# Altium PCB AQM with ESP32-S3.PcbDoc (continued)
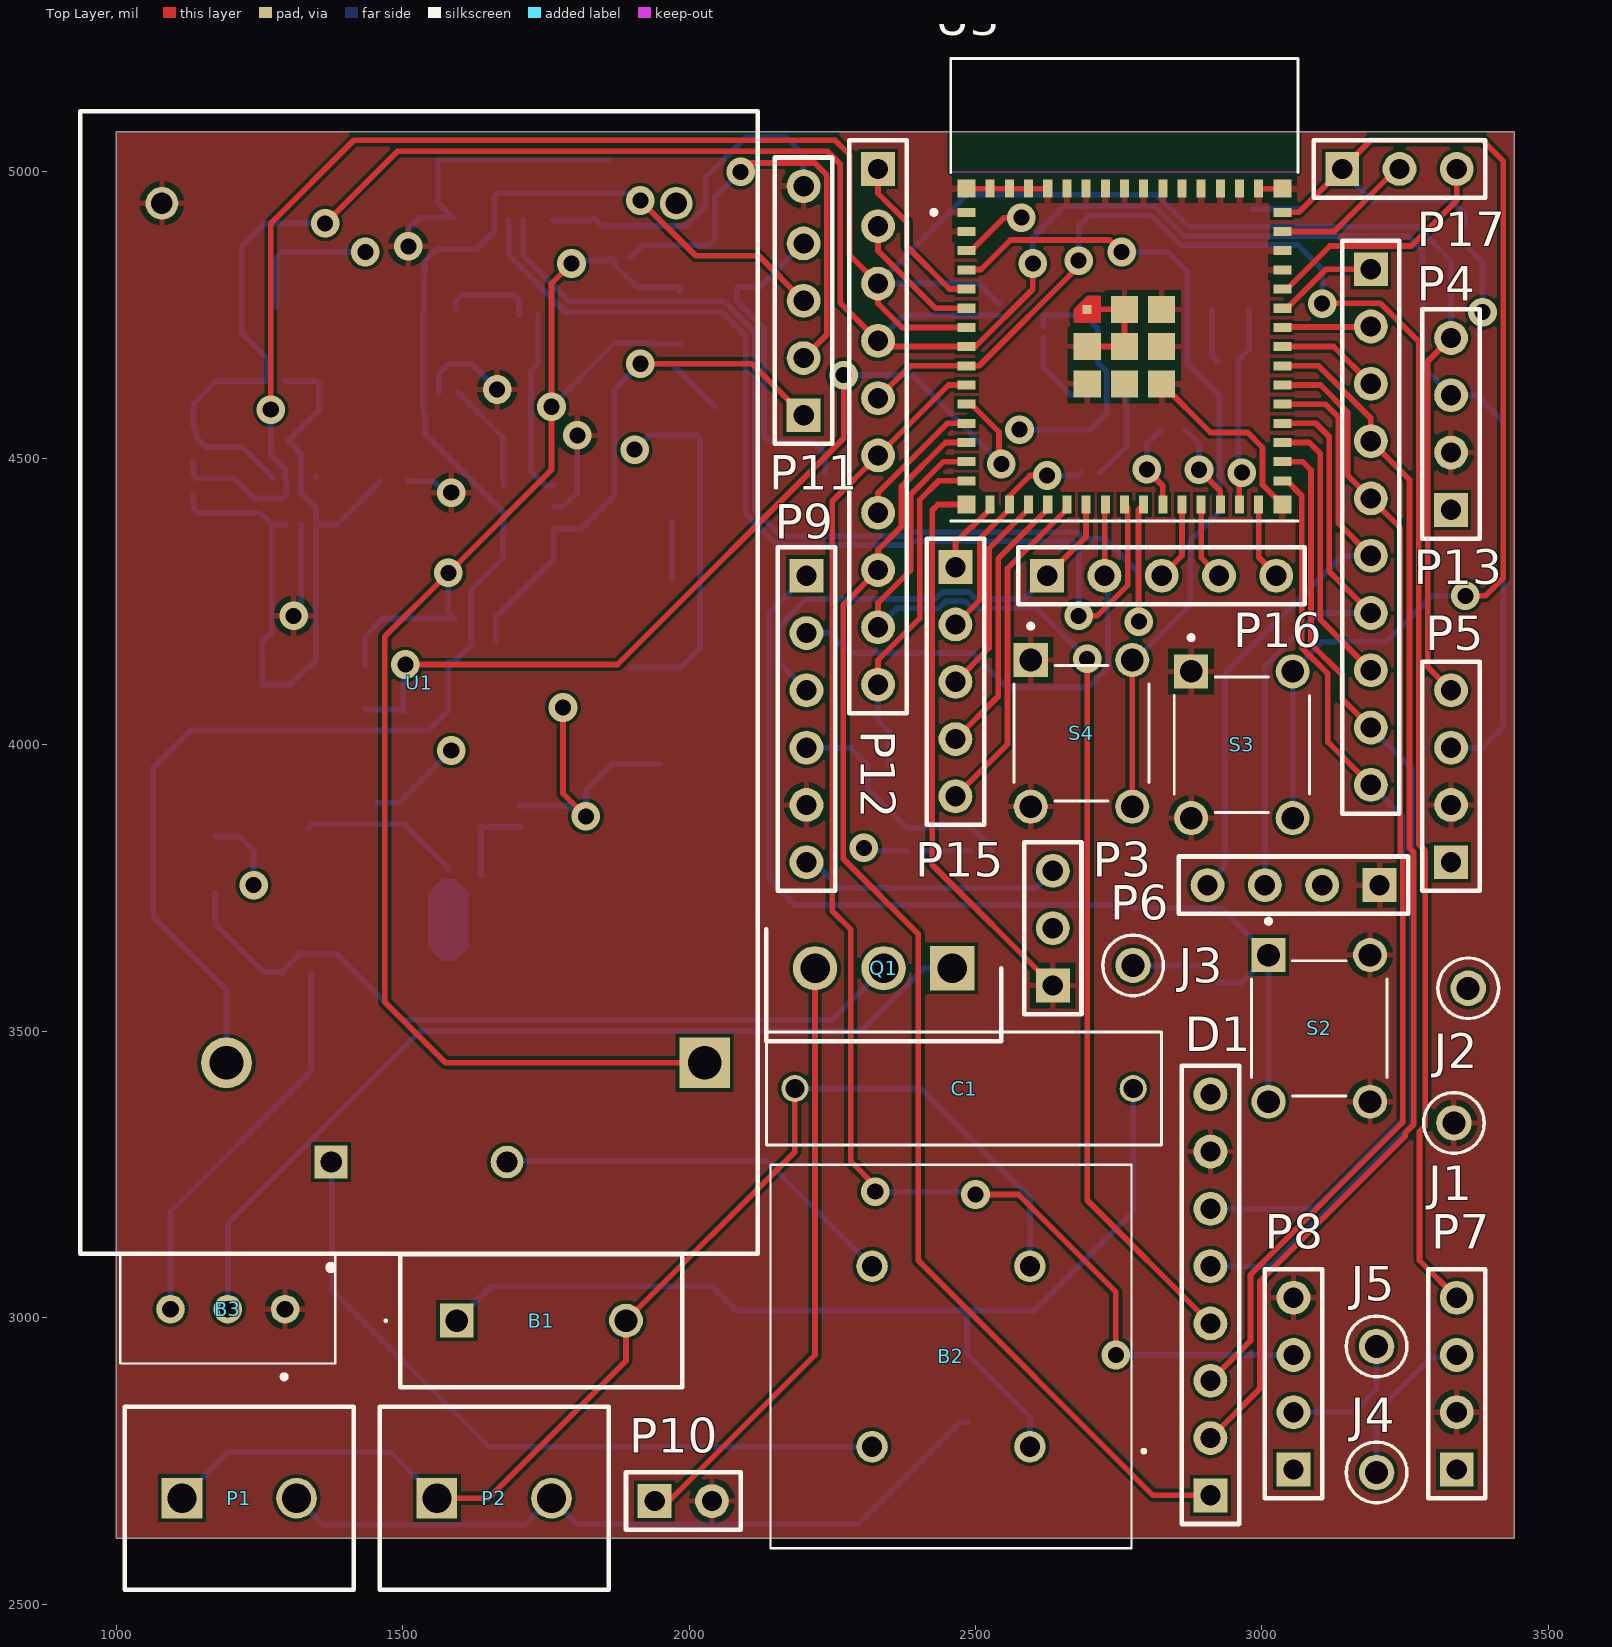
[diagram p0: Top Layer view]
## Footprints (in the part's own frame and the unit in brackets; to place one, negate y for a bottom-side part, rotate by r counter-clockwise, add the part's x,y. Pads: shape width x height; smd on the part's side, far side on the other; paste and mask are expansions set on the pad)
10D561K [mm]
  rect 1.5x1.5 hole 1: 1(0,0)
  round 1.5 hole 1: 2(7.5,0)
  silkscreen extent -3.2,-2.95 10,2.95, body extent -2.5,-2.95 10,2.95, height 15.6
3296X1223LF [mm]
  round 1.269 hole 0.74: 1(0,-2.54) 2(0,0) 3(0,2.54)
  silkscreen extent -3.1,-4.76 2.41,4.76, body extent -2.03,-4.83 2.8,6.22, height 10.03
AMPHENOL_10118192-0001LF [mm]
  rect 0.4x1.35 smd: 1(-1.3,0) 2(-0.65,0) 3(0,0) 4(0.65,0) 5(1.3,0)
  rect 2.1x1.6 smd: SH1(-3.1,-0.125) SH2(3.1,-0.125)
  rect 1.8x1.9 smd: SH3(-3.8,-2.675) SH6(3.8,-2.675)
  rect 1.9x1.9 smd: SH4(-1.2,-2.675) SH5(1.2,-2.675)
  silkscreen extent -3.75,-4.13 3.75,1.4, body extent -3.94,-4.99 3.98,0.67, height 3.09
CAPAE830X1050N [mm]
  rect 4x2.15 smd: 1(-3.35,0) 2(3.35,0)
  silkscreen extent -5.35,-4.15 4.15,4.15, body extent -4.65,-4.32 4.65,4.18, height 10.5
CAPC6125X25N [mm] "Chip Capacitor, 2-Leads, Body 6.10x2.50mm, IPC Medium Density"
  rect 2.05x2.65 smd: 1(-2.475,0) 2(2.475,0)
  silkscreen extent -1.05,-1.22 1.05,1.23, body extent -3.15,-1.3 3.15,1.3, height 2.5
CL05A106MQ5NUNC [mm]
  rect 0.69x0.72 smd: 1(-0.46,0) 2(0.46,0)
  body extent -0.5,-0.25 0.5,0.25, height 0.7
FP-5004-MFG [mm]
  round 1.57 hole 1.02 paste-1000 mask+0: 1(0,0)
  silkscreen extent -1.35,-1.34 1.35,1.34, body extent -1.45,-1.45 1.45,1.45, height 0.25
FP-B4B-ZR-SM4-TF_LF_SN-MFG [mm]
  rect 0.7x3.6 smd paste+0 mask+0: 1(-2.25,-1.95) 2(-0.75,-1.95) 3(0.75,-1.95) 4(2.25,-1.95)
  rect 1.5x2.3 smd paste+0 mask+0: 5(-4.3,0.1) 6(4.3,0.1)
  silkscreen extent -4.5,-4.52 4.5,1.85, body extent -4.5,-3.35 4.5,1.85, height 5
FP-BME280-MFG [mm]
  rect 0.5x0.35 smd paste+0 mask+0: 1(1.025,0.975) 2(1.025,0.325) 3(1.025,-0.325) 4(1.025,-0.975) 5(-1.025,-0.975) 6(-1.025,-0.325) 7(-1.025,0.325) 8(-1.025,0.975)
  silkscreen extent -1.3,-1.55 1.97,1.55
FP-C04-091-OT-IPC_B [mm]
  rect 1.338x0.578 smd paste+0 mask+0: 1(-1.116,0.95)
  rrect100% 1.338x0.578 smd paste+0 mask+0: 2(-1.116,0) 3(-1.116,-0.95) 4(1.116,-0.95) 5(1.116,0.95)
  silkscreen extent -2.41,-1.45 0.05,1.45
FP-CL10-IPC_A [mil]
  rect 45.6x39.85 smd paste+0 mask+0: 1(-32.56,0) 2(32.56,0)
  silkscreen extent -55,-36 55,36, body extent -31,-16 31,16, height 36
FP-CL10-IPC_C [mil]
  rect 29.85x31.97 smd paste+0 mask+0: 1(-24.68,0) 2(24.68,0)
  silkscreen extent -40,-33 40,33, body extent -31,-16 31,16, height 36
FP-GRM219-0_2-0_15-IPC_A [mil]
  rect 57.27x61.27 smd paste+0 mask+0: 1(-36.45,0) 2(36.45,0)
  silkscreen extent -65,-46 65,46, body extent -39,-25 39,25, height 39
FP-HLK-10M05-MFG [mm]
  rect 1.45x1.45 hole 0.95 paste-1000 mask+0: 1(-21.25,3.9)
  round 1.45 hole 0.95 paste-1000 mask+0: 2(-21.25,-3.9) 3(21.25,11.4) 4(21.25,-11.4)
  silkscreen extent -26.05,-15.01 25.33,15.01, body extent -23.45,-13.9 23.45,13.9, height 23.55
FP-RC0402-0_4-IPC_A [mil]
  rect 28.16x26.48 smd paste+0 mask+0: 1(-18.84,0) 2(18.84,0)
  silkscreen extent -33,-29 33,29, body extent -20,-10 20,10, height 16
HDR1X2 [mm] "Connector; Header; 2 Position"
  rect 1.5x1.5 hole 0.9: 1(0,0)
  round 1.5 hole 0.9: 2(2.54,0)
  silkscreen extent -1.27,-1.27 3.81,1.27
HDR1X3 [mm] "Connector; Header; 3 Position"
  rect 1.5x1.5 hole 0.9: 1(0,0)
  round 1.5 hole 0.9: 2(2.54,0) 3(5.08,0)
  silkscreen extent -1.27,-1.27 6.35,1.27
HDR1X4 [mm] "Connector; Header; 4 Position"
  rect 1.5x1.5 hole 0.9: 1(0,0)
  round 1.5 hole 0.9: 2(2.54,0) 3(5.08,0) 4(7.62,0)
  silkscreen extent -1.27,-1.27 8.89,1.27
HDR1X5 [mm] "Connector; Header; 5 Position"
  rect 1.5x1.5 hole 0.9: 1(0,0)
  round 1.5 hole 0.9: 2(2.54,0) 3(5.08,0) 4(7.62,0) 5(10.16,0)
  silkscreen extent -1.27,-1.27 11.43,1.27
HDR1X6 [mm] "Connector; Header; 6 Position"
  rect 1.5x1.5 hole 0.9: 1(0,0)
  round 1.5 hole 0.9: 2(2.54,0) 3(5.08,0) 4(7.62,0) 5(10.16,0) 6(12.7,0)
  silkscreen extent -1.27,-1.27 13.97,1.27
HDR1X8 [mm] "Connector; Header; 8 Position"
  rect 1.5x1.5 hole 0.9: 1(0,0)
  round 1.5 hole 0.9: 2(2.54,0) 3(5.08,0) 4(7.62,0) 5(10.16,0) 6(12.7,0) 7(15.24,0) 8(17.78,0)
  silkscreen extent -1.27,-1.27 19.05,1.27
HDR1X10 [mm] "Connector; Header; 10 Position"
  rect 1.5x1.5 hole 0.9: 1(0,0)
  round 1.5 hole 0.9: 2(2.54,0) 3(5.08,0) 4(7.62,0) 5(10.16,0) 6(12.7,0) 7(15.24,0) 8(17.78,0) 9(20.32,0) 10(22.86,0)
  silkscreen extent -1.27,-1.27 24.13,1.27
JST_S2B-PH-SM4-TB(LF)(SN) [mm]
  rect 1x3.5 smd: 1(-1,0) 2(1,0)
  rect 1.5x3.4 smd: S1(-3.35,-5.75) S2(3.35,-5.75)
  silkscreen extent -3.95,-7.25 3.95,1.45, body extent -3.94,-6.99 3.96,1.61, height 5.5
MAX17048G+T10 [mm]
  rrect25% 0.76x0.27 smd: 1(-0.985,0.75) 2(-0.985,0.25) 3(-0.985,-0.25) 4(-0.985,-0.75) 5(0.985,-0.75) 6(0.985,-0.25) 7(0.985,0.25) 8(0.985,0.75)
  rect 0.9x1.3 smd paste-2: 9(0,0)
  silkscreen extent -2.04,-1.2 1.05,1.2, body extent -0.89,-1.02 1.11,0.98, height 0.8
MBR540-DO-201AD [mm]
  round 2.25 hole 1.5: A(10.6,0)
  rect 2.25x2.25 / inner round 2.25 / far side rect 2.25x2.25 hole 1.5: C(-10.6,0)
  silkscreen extent -8.89,-2.65 8.89,2.65
MPX-104K275VAC-C-D2 [mm]
  round 1.2 hole 0.85: 1(-7.5,0) 2(7.5,0)
  silkscreen extent -8.75,-2.5 8.75,2.5, body extent -8.75,-2.5 8.75,2.5, height 12
PHOE-1729128-2_V [mm] "Receptacle, 2-Leads, Body 8.1x10.16mm, Pitch 5.08mm"
  rect 1.8x1.8 hole 1.3: 1(-2.54,0)
  round 1.8 hole 1.3: 2(2.54,0)
  silkscreen extent -5.08,-4.05 5.08,4.05, body extent -5.65,-4.05 5.08,4.05, height 10.01
RESC1005X40X25LL05T10 [mm] "Chip Resistor, 2-Leads, Body 1.00x0.50mm, IPC High Density"
  rect 0.5x0.45 smd: 1(-0.375,0) 2(0.375,0)
  body extent -0.53,-0.27 0.53,0.28, height 0.4
RESC1005X40X25NL05T10 [mm] "Chip Resistor, 2-Leads, Body 1.00x0.50mm, IPC Medium Density"
  rect 0.6x0.55 smd: 1(-0.425,0) 2(0.425,0)
  body extent -0.53,-0.27 0.53,0.28, height 0.4
RESC1608X55X25LL10T15 [mm] "Chip Resistor, 2-Leads, Body 1.70x0.90mm, IPC High Density"
  rect 0.6x0.8 smd: 1(-0.65,0) 2(0.65,0)
  body extent -0.85,-0.45 0.85,0.45, height 0.55
SK3245SL1A [mm]
  rect 0.7x1.2 smd: 1(-2.5,-3.25) 2(0,-3.25) 3(2.5,-3.25)
  silkscreen extent -4.55,-4.5 4.55,1.78, body extent -4.55,-3.62 4.55,3.88, height 3.2
SOT89-150P350X150-3N [mm] "SOT89, 3-Leads, Body 4.50x2.50mm, Pitch 1.50mm, Lead Span 3.5mm, IPC Medium Density"
  rect 1.3x0.6 smd: 1(-1.55,1.5) 3(-1.55,-1.5)
  rect 0.8x0.6 smd: 2(-1.8,0)
  Top Layer region: -1.4,0.3 -0.8,0.9 1.6,0.9 2.2,0.3 2.2,-0.3 1.6,-0.9 -0.8,-0.9 -1.4,-0.3
  silkscreen extent -1.85,-2.3 1.53,2.47, body extent -2.02,-2.27 2.22,2.27, height 1.5
SOT94P280X100-5N [mm]
  rect 1.25x0.65 smd: 1(-1.25,0.94) 2(-1.25,0) 3(-1.25,-0.94) 4(1.25,-0.94) 5(1.25,0.94)
  silkscreen extent -1.88,-1.45 0.28,1.51, body extent -1.4,-1.45 1.4,1.45, height 1
SOT96P240X120-3N [mm]
  rect 1.2x0.65 smd: 1(-1.05,0.96) 2(-1.05,-0.96) 3(1.05,0)
  silkscreen extent -1.65,-1.45 0.1,1.54, body extent -1.33,-1.45 1.07,1.45, height 1.2
T491A [mm]
  rect 1.8x1.23 smd: 1(-1.31,0) 2(1.31,0)
  silkscreen extent -2.71,-0.05 -2.61,0.05, body extent -1.57,-0.91 1.83,0.89, height 1.81
TL1105AF160Q [mm]
  rect 1.508x1.508 / inner round 1.508 / far side rect 1.508x1.508 hole 1: 1(-3.25,-2.25)
  round 1.508 hole 1: 2(3.25,-2.25) 3(-3.25,2.25) 4(3.25,2.25)
  silkscreen extent -4.85,-3 3,3, body extent -3.82,-2.62 4.07,3.38, height 3.21
TO304P498X1010X2089-3P [mm]
  rect 1.965x1.965 / inner round 1.965 / far side rect 1.965x1.965 hole 1.31: 1(0,0)
  round 1.965 hole 1.31: 2(3.04,0) 3(6.08,0)
  silkscreen extent -2.17,-1.74 8.25,3.24, body extent -1.91,-3.3 8.19,1.68, height 19.12
UU98Y10MH [mm]
  round 1.4 hole 0.9: 1(0,0) 2(-7,0) 3(-7,8) 4(0,8)
  silkscreen extent -11.5,-4.5 5.1,12.5, body extent -11.5,-4.5 4.5,12.5, height 14.1
VISH-TLMS1000_V [mm] "SMD, 2-Leads, Body 0.8x1.6mm"
  rect 0.6x0.8 smd: 1(-0.725,0) 2(0.725,0)
  silkscreen extent 1.52,-0.4 1.52,0.4, body extent -0.8,-0.4 0.8,0.4, height 0.65
VISH-TLMX1100-2_V [mm] "SMD, 2-Leads, Body 1.6x0.8mm"
  rect 0.6x0.8 smd: 1(-0.725,0) 2(0.725,0)
  silkscreen extent 1.53,-0.3 1.53,0.3, body extent -0.8,-0.4 0.8,0.4, height 0.65
WS2812B2020 [mm]
  rect 0.7x0.7 smd: 1(0.915,-0.55) 2(0.915,0.55) 3(-0.915,0.55) 4(-0.915,-0.55)
  silkscreen extent 1.35,-1.4 1.45,-1.3, body extent -1.1,-1 1.1,1, height 0.84
XCVR_ESP32-S3-MINI-1-N8 [mm]
  rect 0.8x0.4 smd: 1(-7,5.95) 2(-7,5.1) 3(-7,4.25) 4(-7,3.4) 5(-7,2.55) 6(-7,1.7) 7(-7,0.85) 8(-7,0) 9(-7,-0.85) 10(-7,-1.7) 11(-7,-2.55) 12(-7,-3.4) 13(-7,-4.25) 14(-7,-5.1) 15(-7,-5.95) 31(7,-5.95) 32(7,-5.1) 33(7,-4.25) 34(7,-3.4) 35(7,-2.55) 36(7,-1.7) 37(7,-0.85) 38(7,0) 39(7,0.85) 40(7,1.7) 41(7,2.55) 42(7,3.4) 43(7,4.25) 44(7,5.1) 45(7,5.95)
  rect 0.4x0.8 smd: 16(-5.95,-7) 17(-5.1,-7) 18(-4.25,-7) 19(-3.4,-7) 20(-2.55,-7) 21(-1.7,-7) 22(-0.85,-7) 23(0,-7) 24(0.85,-7) 25(1.7,-7) 26(2.55,-7) 27(3.4,-7) 28(4.25,-7) 29(5.1,-7) 30(5.95,-7) 46(5.95,7) 47(5.1,7) 48(4.25,7) 49(3.4,7) 50(2.55,7) 51(1.7,7) 52(0.85,7) 53(0,7) 54(-0.85,7) 55(-1.7,7) 56(-2.55,7) 57(-3.4,7) 58(-4.25,7) 59(-5.1,7) 60(-5.95,7)
  rect 1.2x1.2 smd: 61(0,0) 61_2(0,1.65) 61_3(1.65,1.65) 61_4(1.65,0) 61_5(1.65,-1.65) 61_6(0,-1.65) 61_7(-1.65,-1.65) 61_8(-1.65,0)
  rect 0.4x0.4 smd paste-1 mask+0: 61_1(-1.65,1.65)
  rect 0.8x0.8 smd: 62(-7,7) 63(-7,-7) 64(7,-7) 65(7,7)
  Top Layer region: -1.05,1.05 -2.25,1.05 -2.25,1.65 -1.65,2.25 -1.05,2.25
  Keep-Out Layer region: 7.7,7.725 -7.7,7.725 -7.7,12.775 7.7,12.775
  Keep-Out Layer region: 7.7,7.725 -7.7,7.725 -7.7,12.775 7.7,12.775
  silkscreen extent -8.55,-7.73 7.7,12.78, body extent -7.7,-7.71 7.7,12.79, height 2.55

## Part data
A1: library part IC?, "75dB@(120Hz) 1A 1.25V@(1A) ±125?@(Tj) Fixed 3.3V~3.3V Positive 1 20V SOT-89 Linear Voltage Regulators (LDO) ROHS", LCSC Part #=C2904742, Manufacturer=YONGYUTAI, Mfr. Part #=AMS1117-3.3, Package=SOT-89, Datasheet=https://datasheet.lcsc.com/lcsc/2110121330_YONGYUTAI-AMS1117-3-3_C2904742.pdf
B1: "920V 42.3J 180pF@1kHz 460V 350V 504V~616V 2.5kA Plugin Varistors ROHS", LCSC Part #=C113236, Manufacturer="Hongzhi Elec", Package=Plugin, Datasheet=https://datasheet.lcsc.com/lcsc/1811141751_Hongzhi-Elec-10D561K_C113236.pdf, Mfr. Part #=10D561K
B2: "10mH@1kHz 1.2O 2 500mA 50V Plugin Common Mode Filters ROHS", LCSC Part #=C75192, Manufacturer="FH (Guangdong Fenghua Advanced Tech)", Package=Plugin, Datasheet=https://datasheet.lcsc.com/lcsc/1810311213_FH--Guangdong-Fenghua-Advanced-Tech-UU9-8Y-10mH_C75192.pdf, Mfr. Part #=UU9.8Y-10MH
B3: "±10% 10kO Plugin Variable Resistors/Potentiometers ROHS", LCSC Part #=C118955, Manufacturer="BOCHEN(Chengdu Guosheng Tech)", Package=Plugin, Datasheet=https://datasheet.lcsc.com/lcsc/1811011704_BOCHEN-Chengdu-Guosheng-Tech-3296X-1-103_C118955.pdf, Mfr. Part #=3296X-1-103
B4: "RGB SMD,2x2mm Light Emitting Diodes (LED) ROHS", LCSC Part #=C965555, Manufacturer=Worldsemi, Package=SMD,2x2mm, Datasheet=https://www.mouser.com/pdfDocs/WS2812B-2020_V10_EN_181106150240761.pdf, Mfr. Part #=WS2812B-2020, Packaging="Tape & Reel (TR)"
B5: "Polymer 1 DFN-8-EP(2x2) Battery Management ICs ROHS", LCSC Part #=C2682616, Manufacturer="Analog Devices Inc./Maxim Integrated", Package=DFN-8-EP(2x2), Datasheet=chrome-extension://efaidnbmnnnibpcajpcglclefindmkaj/https://datasheet.lcsc.com/lcsc/2106070437_Analog-Devices-Inc--Maxim-Integrated-MAX17048G-T10_C2682616.pdf, Mfr. Part #=MAX17048G+T10, Packaging="Tape & Reel (TR)"
C1: library part MPX-104K275VAC-C-D2, "X2 100nF ±10% 275V Plugin,P=15mm Suppression Capacitors ROHS", LCSC Part #=C914484, Manufacturer=NDF, Mfr. Part #=X2-104K-275VAC, Package=Plugin,P=15mm, Datasheet=https://datasheet.lcsc.com/lcsc/2201131300_NDF-X2-104K-275VAC_C914484.pdf
C2: library part UUR1C221MNL1GS, "-40?~+85? 2000hrs@85? 220uF 10mm 16V 8mm 215mA@120Hz ±20% SMD,D8xL10mm Aluminum Electrolytic Capacitors - SMD ROHS", LCSC Part #=C445237, Manufacturer=Nichicon, Package=SMD,D8xL10mm, Datasheet=https://datasheet.lcsc.com/lcsc/2002121532_Nichicon-UUR1C221MNL1GS_C445237.pdf, Mfr. Part #=UUR1C221MNL1GS
C3: library part CMP-06035-056251-1, "Chip Multilayer Ceramic Capacitors for General Purpose, 0805, 22uF, X5R, 15%, 20%, 16V", LCSC Part #=C162295, Manufacturer="Murata Electronics", Mfr. Part #=GRM219R61C226ME15L, Package=0805, Datasheet=https://datasheet.lcsc.com/lcsc/1811141821_Murata-Electronics-GRM219R61C226ME15L_C162295.pdf
C4: library part CL05A106MQ5NUNC, "6.3V 10uF X5R ±20% 0402 Multilayer Ceramic Capacitors MLCC - SMD/SMT ROHS", LCSC Part #=C15525, Manufacturer="Samsung Electro-Mechanics", Package=0402, Datasheet Link=https://datasheet.datasheetarchive.com/originals/distributors/Datasheets-DGA10/2406160.pdf, Mfr. Part #=CL05A106MQ5NUNC
C5 C6 C7 C8 C10 C11 C14 C15: library part CMP-13271-004224-1, "X5R 25V 10uF ±20% 0603 Multilayer Ceramic Capacitors MLCC - SMD/SMT ROHS", LCSC Part #=C96446, Manufacturer="Samsung Electro-Mechanics", Mfr. Part #=CL10A106MA8NRNC, Package=0603, Datasheet=https://datasheet.lcsc.com/lcsc/1811110921_Samsung-Electro-Mechanics-CL10A106MA8NRNC_C96446.pdf, Packaging="Tape and Reel"
C9 C12 C13: library part CMP-13271-001457-1, "X5R 1uF 16V ±10% 0603 Multilayer Ceramic Capacitors MLCC - SMD/SMT ROHS", LCSC Part #=C1592, Manufacturer="Samsung Electro-Mechanics", Mfr. Part #=CL10A105KO8NNNC, Package=0603, Packaging="Tape & Reel (TR)"
  C9: Datasheet=https://datasheet.lcsc.com/lcsc/2209191700_Samsung-Electro-Mechanics-CL10A105KO8NNNC_C1592.pdf
  C12 C13: Datasheet=0.031inch
C16: library part T491A104K035AT, "100nF 35V 20O@100kHz ±10% CASE-A-3216 Tantalum Capacitors ROHS", LCSC Part #=C122257, Manufacturer=KEMET, Package=CASE-A-3216, Datasheet=chrome-extension://efaidnbmnnnibpcajpcglclefindmkaj/https://datasheet.lcsc.com/lcsc/2304140030_KEMET-T491A104K035AT_C122257.pdf, Mfr. Part #=T491A104K035AT, Packaging="Tape & Reel (TR)"
D1: library part "Header 8", "Header, 8-Pin", LatestRevisionDate=17-Jul-2002, LatestRevisionNote="Re-released for DXP Platform.", Publisher="Altium Limited"
D2: library part MBR540-DO-201AD, "40V 5A 580mV@5A DO-201AD Schottky Barrier Diodes (SBD) ROHS", LCSC Part #=C272410, Manufacturer="Jilin Sino-Microelectronics", Package=DO-201AD, Datasheet=https://datasheet.lcsc.com/lcsc/1811081224_Jilin-Sino-Microelectronics-MBR540-DO-201AD_C272410.pdf, Mfr. Part #=MBR540-DO-201AD
DS1: library part CMP-1666-00029-1, "0603 Light Emitting Diodes (LED) ROHS", LCSC Part #=C3148192, Manufacturer="Vishay Intertech", Package=0603, ComponentLink1Description="Manufacturer URL", ComponentLink1URL=http://www.vishay.com/, ComponentLink2Description=Datasheet, ComponentLink2URL=http://download.siliconexpert.com/pdfs/2016/8/7/12/43/26/667/vsh_/manual/379263299541529tlmb1100.pdf, Datasheet=https://datasheet.lcsc.com/lcsc/2207121830_Vishay-Intertech-TLMO1100-GS08_C3148192.pdf, Mfr. Part #=TLMO1100-GS08, Packaging="Tape & Reel (TR)"
DS2: library part CMP-2000-07254-1, "Red 0603 Light Emitting Diodes (LED) ROHS", LCSC Part #=C241893, Manufacturer="Vishay Intertech", Package=0603, Datasheet=https://datasheet.lcsc.com/lcsc/1810181516_Vishay-Intertech-TLMS1000-GS08_C241893.pdf, Mfr. Part #=TLMS1000-GS08, Packaging="Tape & Reel (TR)"
F1: "SMD Fuses ROHS", LCSC Part #=C845172, Manufacturer="SART(Nanjing Sart Tech)", Package=SMD, Datasheet=https://datasheet.lcsc.com/lcsc/2201242130_SART-Nanjing-Sart-Tech-S6125-M2-0-5A_C845172.pdf, Mfr. Part #=S6125-M2-0.5A
J1 J2 J3 J4 J5: library part CMP-2000-05575-2, "PC TEST POINT MINIATURE YELLOW", LCSC Part #=C2906762, Manufacturer=Keystone, ComponentLink2Description=Datasheet, ComponentLink2URL=https://www.keyelco.com/product-pdf.cfm?p=1313, Datasheet=https://datasheet.lcsc.com/lcsc/2201121200_Keystone-5004_C2906762.pdf, Mfr. Part #=5004, Package=5004
J6: "1x2P PH 1 2mm Male pin 2 -25?~+85? 2A Surface Mount SMD,P=2mm Wire To Board / Wire To Wire Connector ROHS", LCSC Part #=C295747, Manufacturer="JST Sales America", Package=SMD,P=2mm, Datasheet=https://datasheet.lcsc.com/lcsc/2102031704_JST-Sales-America-S2B-PH-SM4-TB-LF-SN_C295747.pdf, Mfr. Part #=S2B-PH-SM4-TB(LF)(SN), Packaging="Tape & Reel (TR)"
J7: "Single Port 5 Contact Horizontal Right Angle Shielded Micro B USB 2.0 Connector", LCSC Part #=C132564, Manufacturer="Amphenol ICC", Package=SMD, Datasheet=https://datasheet.lcsc.com/lcsc/2111290930_Amphenol-ICC-10118192-0001LF_C132564.pdf, Mfr. Part #=10118192-0001LF
J8: library part CMP-17439-000604-1, "1x4P 1 1.5mm 4 Brass SMD,P=1.5mm Wire To Board / Wire To Wire Connector ROHS", LCSC Part #=C265083, Manufacturer="JST Sales America", Mfr. Part #=B4B-ZR-SM4-TF(LF)(SN), Package=SMD,P=1.5mm, Datasheet=https://datasheet.lcsc.com/lcsc/1912111437_JST-Sales-America-B4B-ZR-SM4-TF-LF-SN_C265083.pdf, Packaging="Tape & Reel (TR)"
P1 P2: library part CMP-2000-05815-1, "13.5A 400V Green Straight pin 5.08mm 1 2 Plugin,P=5.08mm Screw terminal ROHS", LCSC Part #=C91153, Manufacturer="Phoenix Contact", Mfr. Part #=1729128, Package=Plugin,P=5.08mm, Datasheet=https://www.farnell.com/datasheets/2617011.pdf
P3 P17: "Header, 3-Pin", LatestRevisionDate=17-Jul-2002, LatestRevisionNote="Re-released for DXP Platform.", Publisher="Altium Limited"
P4: library part "Header 4", "Si7021 Header, 4-Pin"
P5: library part "Header 4", "SGP30 Header, 4-Pin", LatestRevisionDate=17-Jul-2002, LatestRevisionNote="Re-released for DXP Platform.", Publisher="Altium Limited"
P6: library part "Header 4", "- Sensor Modules ROHS", LCSC Part #=C141344, Manufacturer="Zhengzhou Winsen Elec Tech", Mfr. Part #=ZE08-CH2O
P7: library part "Header 4", "MQ7 Header, 4-Pin", LatestRevisionDate=17-Jul-2002, LatestRevisionNote="Re-released for DXP Platform.", Publisher="Altium Limited"
P8: library part "Header 4", "MQ131 Header, 4-Pin", LatestRevisionDate=17-Jul-2002, LatestRevisionNote="Re-released for DXP Platform.", Publisher="Altium Limited"
P9: library part "Header 6", "PMS5003 Sensor Modules ROHS", LCSC Part #=C91431, Manufacturer="Beijing Plantower", Datasheet=https://datasheet.lcsc.com/lcsc/1810251510_Beijing-Plantower-PMS5003_C91431.pdf, Mfr. Part #=PMS5003, Package=PMS5003
P10: library part "Header 2", "Header, 2-Pin", LatestRevisionDate=17-Jul-2002, LatestRevisionNote="Re-released for DXP Platform.", Publisher="Altium Limited"
P11 P15 P16: "Header, 5-Pin", LatestRevisionDate=17-Jul-2002, LatestRevisionNote="Re-released for DXP Platform.", Publisher="Altium Limited"
P12 P13: "Header, 10-Pin", LatestRevisionDate=17-Jul-2002, LatestRevisionNote="Re-released for DXP Platform.", Publisher="Altium Limited"
Q1: "NPN Transistor, TO-220", LCSC Part #=C3031919, Manufacturer="Jiangsu Changjing Electronics Technology Co., Ltd.", Package=TO-220, Datasheet=https://datasheet.lcsc.com/lcsc/2206081730_Jiangsu-Changjing-Electronics-Technology-Co---Ltd--2SD313_C3031919.pdf, Mfr. Part #=2SD313
Q2: "20V 4A 39mO@4.5V,4A 900mW P Channel SOT-23 MOSFETs ROHS", LCSC Part #=C96616, Manufacturer="Diodes Incorporated", Package=SOT-23, Datasheet=https://datasheet.lcsc.com/lcsc/1809191942_Diodes-Incorporated-DMG3415U-7_C96616.pdf, Mfr. Part #=DMG3415U-7, Packaging="Tape & Reel (TR)"
R1 R2 R4 R5: library part CMP-2002-07342-2, "RES SMD 0 OHM JUMPER 1/16W 0402", LCSC Part #=C106231, Manufacturer=Yageo, Mfr. Part #=RC0402FR-070RL, Package=0402, Datasheet=https://www.lcsc.com/product-detail/Chip-Resistor-Surface-Mount_YAGEO-RC0402FR-070RL_C106231.html
R3: library part CMP-1659-00035-2, "100mW Thick Film Resistors 75V ±100ppm/? ±1% -55?~+155? 470O 0603 Chip Resistor - Surface Mount ROHS", LCSC Part #=C114669, Manufacturer=YAGEO, Mfr. Part #=RC0603FR-07470RL, Package=0603, ComponentLink1Description="Manufacturer URL", ComponentLink1URL=http://www.yageo.com/, ComponentLink2Description=Datasheet, ComponentLink2URL=https://datasheet.ciiva.com/11808/0900766b80f96399-11808177.pdf, Datasheet=https://datasheet.lcsc.com/lcsc/1810161617_YAGEO-RC0603FR-07470RL_C114669.pdf
R6 R7: library part CMP-2002-07353-1, "50V 10kO Thick Film Resistors 62.5mW ±1% -55?~+155? ±100ppm/? 0402 Chip Resistor - Surface Mount ROHS", LCSC Part #=C60490, Manufacturer=YAGEO, Mfr. Part #=RC0402FR-0710KL, Package=0402
R8 R9: library part CMP-2002-07343-1, "62.5mW 100kO ±1% Thick Film Resistors 0402 Chip Resistor - Surface Mount ROHS", LCSC Part #=C60491, Manufacturer=YAGEO, Mfr. Part #=RC0402FR-07100KL, Package=0402, Datasheet=https://datasheet.lcsc.com/lcsc/1809291220_YAGEO-RC0402FR-07100KL_C60491.pdf, Packaging="Tape & Reel (TR)"
R10 R12 R13 R14: library part CMP-2002-07753-1, "62.5mW Thick Film Resistors ±1% 5.1kO 0402 Chip Resistor - Surface Mount ROHS", LCSC Part #=C105872, Manufacturer=YAGEO, Mfr. Part #=RC0402FR-075K1L, Package=0402, Datasheet=https://datasheet.lcsc.com/lcsc/1809201112_YAGEO-RC0402FR-075K1L_C105872.pdf, Packaging="Tape & Reel (TR)"
R11: library part CMP-2002-07490-1, "62.5mW Thick Film Resistors ±1% 1MO 0402 Chip Resistor - Surface Mount ROHS", LCSC Part #=C138033, Manufacturer=YAGEO, Mfr. Part #=RC0402FR-071ML, Package=0402, Datasheet=https://datasheet.lcsc.com/lcsc/1809201123_YAGEO-RC0402FR-071ML_C138033.pdf, Packaging="Tape & Reel (TR)"
R15 R16 R17 R18: library part CMP-2002-07353-1, "10kO Thick Film Resistors 62.5mW ±1% 0402 Chip Resistor - Surface Mount ROHS", LCSC Part #=C60490, Manufacturer=YAGEO, Mfr. Part #=RC0402FR-0710KL, Package=0402, Datasheet=https://datasheet.lcsc.com/lcsc/1809301715_YAGEO-RC0402FR-0710KL_C60490.pdf, Packaging="Tape & Reel (TR)"
S1: library part SK-3245S-L1-A, "Surface Mount 50mA DPDT 3.2mm 12V 9.1mm 12V 3.55mm 50mA 10000 SMDSplicing Rectangular columnar -40?~+85? Black SMD Slide Switches ROHS", LCSC Part #=C405951, Manufacturer="XKB Connectivity", Package=SMD, Datasheet=https://datasheet.lcsc.com/lcsc/2002271841_XKB-Connectivity-SK-3245S-L1-A_C405951.pdf, Mfr. Part #=SK-3245S-L1-A
S2 S3 S4: "6mm 1.4mm Round Button 50mA Straight 6mm SPST 12V Plugin,6x6mm Tactile Switches ROHS", LCSC Part #=C273465, Manufacturer=E-Switch, Package=Plugin,6x6mm, Datasheet=https://datasheet.lcsc.com/lcsc/1809291031_E-Switch-TL1105AF160Q_C273465.pdf, Mfr. Part #=TL1105AF160Q
  S3 S4: Packaging=Bag-packed
U1: library part CMP-218581-000001-1, "5V 2A 90VAC~265VAC 1 120V~350V Isolated Regulated 10W AC-DC 80% Plugin Power Modules ROHS", LCSC Part #=C403745, Manufacturer=HI-LINK, Package=Plugin, Mfr. Part #=HLK-10M05
U2 U6: "TSOT-23-5 Linear Voltage Regulators (LDO) ROHS", LCSC Part #=C841192, Manufacturer="Richtek Tech", Package=TSOT-23-5, Datasheet=https://datasheet.lcsc.com/lcsc/2009192305_Richtek-Tech-RT9080-33GJ5_C841192.pdf, Mfr. Part #=RT9080-33GJ5, Packaging="Tape & Reel (TR)"
U3: library part U?, "Bluetooth, WiFi 802.11b/g/n, Bluetooth v5.0 Transceiver Module 2.4GHz PCB Trace Surface Mount", LCSC Part #=C2913206, Manufacturer="Espressif Systems", Package=None, Datasheet=https://www.espressif.com/sites/default/files/documentation/esp32-s3-mini-1_mini-1u_datasheet_en.pdf, Mfr. Part #=ESP32-S3-MINI-1-N8, Packaging="Tape & Reel (TR)"
U4: library part CMP-0133-00143-2, "SOT-23-5 Battery Management ICs ROHS", LCSC Part #=C424093, Manufacturer="Microchip Tech", Package=SOT-23-5, Datasheet=https://datasheet.lcsc.com/lcsc/1912111437_Microchip-Tech-MCP73831T-2ACI-OT_C424093.pdf, Mfr. Part #=MCP73831T-2ACI/OT, Packaging="Tape & Reel (TR)"
U5: library part CMP-2000-05073-3, "LGA-8 Temperature and Humidity Sensor ROHS", LCSC Part #=C92489, Manufacturer="Bosch Sensortec", Package=LGA-8, Datasheet=https://datasheet.lcsc.com/lcsc/2302171709_Bosch-Sensortec-BME280_C92489.pdf, Mfr. Part #=BME280, Packaging="Tape & Reel (TR)"

## Via types
v1: diameter 50, hole 28, Top Layer to Bottom Layer, 41 vias

## Nets (pads, with @x,y where several pads share a name; then routed paths per layer and width w, separated by ;. In a path a pad name is that pad's centre, name@x,y a point inside that pad or via, vN(x,y) a via of type N, cw(c..) or ccw(c..) an arc to the next point about the centre after c; other vN are vias at no path point)
3.3V: D1.8 J3.1 P3.2 P4.1 P5.1 R2.1 R6.1 R7.1 | length 3858
  Layer 2 - Power w10: v1(1585,3990) 1620.51,3954.49 2230.51,3954.49 2305,3880 v1(2305,3820) ; D1.8 2775,3525 J3.1 2710,3680 P3.2 2445,3680 v1(2305,3820) ; P4.1 3390,4410 3425.98,4374.02 3425.98,3820.98 3400,3795 P5.1 3305.51,3795 3280.51,3820 2652.29,3820 2651.78,3820.51 2618.22,3820.51 2617.71,3820 v1(2305,3820)
  Bottom Layer w10: R2.1 1493.84,3898.84 v1(1585,3990) ; v1(2305,3820) 2310,3815 R6.1 ; J3.1 2775.12,3614.88 2919.88,3614.88 R7.1
5V: C2.1 J2.1 P3.3 P6.2 P7.1 P8.1 P9.6 R1.2 S1.2 U1.4 | length 5448.3
  Top Layer w10: v1(1780,4065) 1780,3915 v1(1820,3875) ; U1.4@1971.61,4946.61 U1.4@1978.82,4946.61
  Layer 2 - Power w10: v1(1240,3755) 1290,3755 1465,3580 1695,3580 1820,3705 v1(1820,3875) 1900,3795 P9.6 ; v1(1780,4065) 1780,4450 1977.64,4647.64 U1.4 ; P3.3 2650.51,3795.51 3064.49,3795.51 P6.2 3175,3685 3250,3685 J2.1 3405,3530 3405,2800 P7.1 3260,2655 3135,2655 P8.1
  Bottom Layer w10: S1.2 1215,3840 1240,3815 v1(1240,3755) ; R1.2 1790.34,3893.84 1809.18,3875 v1(1820,3875) 1820,3920 1866.89,3966.89 C2.1 ; P9.6@2205,3800 P9.6 2218.27,3795 2263.27,3750 2605,3750 P3.3
BOOT: S4.3 S4.4 U3.4 | length 1452.3
  Top Layer w10: U3.4 2484.96,4829.41 2509.41,4829.41 2560.98,4880.98 2734.02,4880.98 v1(2755,4860) ; S4.4 S4.3
  Bottom Layer w10: v1(2755,4860) 2835,4860 2870,4825 2870,4665 2925.98,4609.02 2925.98,4407.31 2875,4356.33 2875,4245 2777.95,4147.95 S4.3
D+: J7.3 U3.24 | length 1869.1
  Top Layer w10: v1(2785,4215) 2784.49,4215.51 2784.49,4410.43 U3.24
  Bottom Layer w10: J7.3 1711.18,4853.82 1790.79,4774.21 2060.79,4774.21 2115,4720 2115,4410 2160.51,4364.49 2379.49,4364.49 2385.98,4370.98 2676.62,4370.98 2688.12,4359.49 2725.51,4359.49 2784.49,4300.51 2784.49,4232.8 2802.29,4215 v1(2785,4215)
D-: J7.2 U3.23 | length 1824
  Top Layer w10: v1(2680,4225) 2712.29,4225 2765.51,4278.22 2765.51,4413.82 U3.23
  Bottom Layer w10: J7.2 1685.59,4854.41 1785,4755 2057.4,4755 2099.02,4713.38 2099.02,4403.38 2153.89,4348.5 2386.11,4348.5 2392.6,4355 2670,4355 2680,4345 v1(2680,4225)
DOUT1: J4.1 P7.3 | length 286.4
  Bottom Layer w10: J4.1 3200,2835 3295.47,2930.47 3335.47,2930.47 P7.3
DOUT2: J5.1 P8.2 | length 236.6
  Bottom Layer w10: P8.2 3160,2835 3200,2875 J5.1
EN: P11.2 R9.2 U2.3 | length 800.6
  Top Layer w10: v1(2090,5000) 2105.51,5015.51 2219.49,5015.51 2240.51,4994.49 2240.51,4715.51 2201.82,4676.82 P11.2@2198.18,4676.82
  Bottom Layer w10: R9.2 1897.72,4850 1919.72,4872.01 U2.3 2034.14,4872.01 2045,4882.87 2045,4955 v1(2090,5000)
GND: A1.1 B3.1 B4.2 B5.1 B5.4 B5.6 B5.9 C2.2 C3.2 C4.1 C5.2 C6.2 C7.2 C8.2 C9.1 C10.2 C11.2 C12.2 C13.2 C14.2 C15.2 C16.2 D1.7 DS2.2 J1.1 J6.2 J6.S1 J6.S2 J7.5 J7.SH1 J7.SH2 J7.SH3 J7.SH4 J7.SH5 J7.SH6 J8.4 J8.5 J8.6 P3.1 P4.2 P5.2 P6.1 P7.2 P8.4 P9.5 P10.2 P11.5 R8.1 R11.1 R13.1 R18.1 S2.3 S2.4 S3.1 S3.2 S4.1 S4.2 U1.3 U2.2 U3.1 U3.2 U3.42 U3.43 U3.46 U3.47 U3.48 U3.49 U3.50 U3.51 U3.52 U3.53 U3.54 U3.55 U3.56 U3.57 U3.58 U3.59 U3.60 U3.61 U3.61_1 U3.61_2 U3.61_3 U3.61_4 U3.61_5 U3.61_6 U3.61_7 U3.61_8 U3.62 U3.63 U3.64 U3.65 U4.2 U5.1 U5.7 U6.2 | length 4411.5
  Top Layer w10: U3.63 2434.37,4419.37 2424.49,4409.49 2424.49,3790.51 P3.1 ; U3.62 U3.60 U3.59 U3.58 U3.57 ; U3.61_8 U3.61 U3.61_2 U3.61_1 ; U3.61_5 2909.92,4545 2975,4545 3000.98,4519.02 3000.98,4453.94 U3.64 ; U3.46 U3.65
  Layer 1 - GND w10: P5.2 3275,3950 3275,4455 P4.2
  Bottom Layer w10: v1(1310,4225) 1310,4235.82 1322.8,4248.62 U5.7 ; U5.1 U5.1@1348.39,4468.31 ; C15.2@1509.68,4461.06 C15.2 1554.18,4460 1574.18,4440 v1(1585,4440) ; v1(1510,4870) 1510,4900 1529.92,4919.92 J7.SH1@1588.07,4919.92 ; R13.1 1563.27,4647.41 1580.86,4665 1620,4665 v1(1665,4620) ; J7.SH1 J7.SH1@1588.07,4919.92 ; J7.5 1828.31,4915 J7.SH2 1847.68,4905.47 1994.01,4905.47 2029.02,4940.48 2029.02,4989.9 2099.11,5060 2170,5060 2200,5030 P11.5 ; U4.2 1779.8,4415 1805,4440.2 v1(1805,4540) ; J7.SH6 J7.SH5 J7.SH4 J7.SH3 1561.57,4946.42 J7.SH1@1588.07,4919.92 ; C8.2 C7.2 ; B5.4 2618.78,4658.35 2666.06,4611.06 2706.46,4611.06 DS2.2 ; C13.2 2912.44,4679.84 2922.28,4670 R11.1
I2C_PWR: R18.2 U3.11 U6.3 | length 1662.3
  Top Layer w10: v1(1505,4140) 1875,4140 2270,4535 v1(2270,4645) ; U3.11 2492.24,4594.57 2540.83,4545.98 2540.83,4494.17 v1(2545,4490)
  Bottom Layer w10: U6.3 1435.71,4061.5 1498.74,4061.5 R18.2 1501.22,4060 1501.22,4136.22 v1(1505,4140) ; v1(2270,4645) 2270.51,4645.51 2389.49,4645.51 v1(2545,4490)
IO1: P12.1 U3.5 | length 291
  Top Layer w10: P12.1 2330,4962.29 2380,4912.29 2380,4870 2454.65,4795.35 U3.5
IO2: P12.2 U3.6 | length 238.7
  Top Layer w10: P12.2 2330,4862.29 2430.4,4761.89 U3.6
IO5: P7.4 P12.5 U3.9 | length 2948.1
  Top Layer w10: P12.5 2386.5,4661.5 U3.9 2506.5,4661.5 2680,4835 v1(2680,4845) ; v1(3105,4770) 3105.51,4770.51 3206.78,4770.51 3273.5,4703.79 3273.5,3826.5 3285,3815 3285,3334.79 3275,3324.79 3275,3319.79 3275,3100 P7.4
  Bottom Layer w10: v1(2680,4845) 2680,4905 2699.02,4924.02 2806.87,4924.02 2858.76,4872.12 3062.88,4872.12 3105,4830 v1(3105,4770)
IO6: P8.3 P12.6 U3.10 | length 2467
  Top Layer w10: v1(2325,3220) 2325,3230 2282.5,3272.5 2282.5,3677.5 2250,3710 2250,4425 P12.6 2453.03,4628.03 U3.10 ; v1(2500,3215) 2575,3215 2745,3045 v1(2745,2935)
  Bottom Layer w10: v1(2325,3220) 2495,3220 v1(2500,3215) ; v1(2745,2935) P8.3
IO8: P12.7 U3.12 | length 239.5
  Top Layer w10: P12.7 2330,4440 2451.1,4561.1 U3.12
IO9: D1.1 P12.8 U3.13 | length 2272.4
  Top Layer w10: U3.13 2447.64,4527.64 2370.51,4450.51 2370.51,4380.51 2330,4340 P12.8 2269.02,4244.02 2269.02,3800.98 2400,3670 2400,3100 2810,2690 D1.1
IO10: D1.4 P12.9 U3.14 | length 2051.2
  Top Layer w10: P12.9 2330,4247.71 2386.5,4304.2 2386.5,4436.5 2444.17,4494.17 U3.14 ; v1(2695,4150) 2695,3205 D1.4
  Bottom Layer w10: P12.9 2363.5,4238.5 2436.21,4238.5 2448.22,4250.51 2481.78,4250.51 2493.79,4238.5 2606.5,4238.5 v1(2695,4150)
IO11: P12.10 R4.1 U3.15 | length 596
  Top Layer w10: P12.10 2330,4147.71 2402.48,4220.19 2402.48,4427.48 2435.71,4460.71 U3.15
  Bottom Layer w10: P12.10 2330,4041.9 2348.84,4023.06 R4.1
IO12: P15.1 U3.16 | length 135.7
  Top Layer w10: P15.1 2465,4352.8 2492.91,4380.71 2494.93,4380.71 2525.71,4411.5 U3.16
IO13: P15.2 R14.2 U3.17 | length 404.2
  Top Layer w10: P15.2 2507.8,4252.8 2507.8,4360.12 2559.17,4411.5 U3.17 2559.17,4434.17 2595,4470 v1(2625,4470)
  Bottom Layer w10: v1(2625,4470) 2678.27,4470 R14.2
IO14: P15.3 U3.18 | length 362.2
  Top Layer w10: P15.3 2523.78,4168.78 2523.78,4342.64 2592.64,4411.5 U3.18
IO15: P15.4 U3.19 | length 476.1
  Top Layer w10: P15.4 2539.76,4084.76 2539.76,4325.16 2626.1,4411.5 U3.19
IO16: P15.5 U3.20 | length 590
  Top Layer w10: P15.5 2555.75,4000.75 2555.75,4307.68 2659.57,4411.5 U3.20
IO26: P16.3 U3.26 | length 139
  Top Layer w10: P16.3 2860.35,4330.35 U3.26
IO34_BDLTAP: C13.1 R11.2 U3.29 | length 360.7
  Top Layer w10: U3.29 2960.37,4419.74 2960.37,4474.63 2960.75,4475 v1(2965,4475)
  Bottom Layer w10: v1(2965,4475) 2960,4475 2958.37,4476.63 2958.37,4668.37 R11.2 2957.72,4670 2977.56,4689.84 C13.1
IO40: D1.3 P13.5 U3.36 | length 2002.9
  Top Layer w10: D1.3 2980,2960 2980,3075 3245.51,3340.51 3245.51,3805 3241.54,3808.98 3241.54,4378.46 P13.5 3149.49,4470.51 3149.49,4580.51 3101.97,4628.03 U3.36
IO41: D1.2 P13.4 U3.37 | length 2150.5
  Top Layer w10: D1.2 2995.98,2875.98 2995.98,3063.38 3250,3317.4 3250,3322.4 3265,3337.4 3265,3812.4 3257.52,3819.87 3257.52,4462.48 P13.4 3190,4570 3098.5,4661.5 U3.37
IO42: P13.3 U3.38 | length 181.4
  Top Layer w10: U3.38 3125.04,4694.96 P13.3
IO45: P17.3 U3.41 | length 423.5
  Top Layer w10: U3.41 3043.43,4795.35 3118.58,4870.51 3260.51,4870.51 3340,4950 P17.3
IO46: P17.2 U3.44 | length 248.2
  Top Layer w10: U3.44 3086.89,4895.75 3087.12,4895.98 3125.98,4895.98 P17.2@3237.5,5007.5
IO47: P16.4 U3.27 | length 137.3
  Top Layer w10: U3.27 2893.82,4326.79 2925,4295.61 P16.4
IO48: P16.5 U3.30 | length 137.1
  Top Layer w10: U3.30 2994.21,4327.18 3025,4296.4 P16.5
MISO: P13.8 U3.33 | length 489
  Top Layer w10: U3.33 3082.36,4527.64 3101.54,4508.46 3101.54,4218.46 P13.8
MOSI: D1.6 P13.10 U3.31 | length 1606.7
  Top Layer w10: U3.31 3043.43,4460.71 3069.57,4434.57 3069.57,4169.48 3115,4124.05 3115,4005 P13.10
  Bottom Layer w10: D1.6 3090,3190 3245.51,3345.51 3245.51,3874.49 P13.10
NEOPIX: B4.3 U3.28 | length 154.7
  Top Layer w10: v1(2890,4480) 2927.28,4442.72 U3.28
  Bottom Layer w10: B4.3 2890,4525.63 v1(2890,4480)
NEOPIX_PWR: B4.4 U3.25 | length 152.3
  Top Layer w10: v1(2799.18,4480.82) 2799.18,4479.68 2826.89,4451.96 U3.25
  Bottom Layer w10: v1@2798.35,4481.65 v1(2799.18,4480.82) 2799.18,4524.81 B4.4
NetA1_2: A1.2 C3.1 R2.2 | length 283.7
  Bottom Layer w10: C3.1 1342.61,3861.16 R2.2 1503.64,3861.16 1580,3784.8 A1.2
NetA1_3: A1.3 C4.2 R1.1 | length 157.3
  Bottom Layer w10: C4.2 C4.2@1635.37,3856.52 ; A1.3 1637.03,3773.05 1637.03,3854.86 C4.2@1635.37,3856.52 ; R1.1 1704.63,3856.52 C4.2@1635.37,3856.52
NetB1_1: B1.1 B2.1 C1.1 F1.2 | length 1792.4
  Bottom Layer w10: B1.1 1654.72,3055 2040,3055 2082.56,3012.44 F1.2 ; B2.1 2595,2827.15 2485,2937.15 F1.2 ; C1.1 2775.28,3185.28 2602.44,3012.44 F1.2
NetB1_2: B1.2 B2.4 C1.2 P1.1 P2.1 | length 2146.8
  Top Layer w10: P2.1 1650,2685 1890,2925 B1.2 2184.72,3289.72 C1.2
  Bottom Layer w10: P1.1 1195,2765 1480,2765 P2.1 ; C1.2 2405,3400 2595,3210 B2.4
NetB2_2: B2.2 U1.1 | length 1281.1
  Bottom Layer w10: U1.1@1376.46,3273.39 1376.46,3048.54 1650,2775 B2.2
NetB2_3: B2.3 U1.2 | length 711.8
  Bottom Layer w10: U1.2@1683.54,3273.39 2135.98,3273.39 B2.3
NetB3_2: B3.2 Q1.1 | length 1598.4
  Bottom Layer w10: B3.2 1195,3164.55 1530.73,3500.28 2300.2,3500.28 2409.92,3610 Q1.1
NetB3_3: B3.3 R3.1 | length 686.7
  Bottom Layer w10: B3.3 1095,3184.74 1340.59,3430.33 R3.1
NetC15_1: C15.1 J8.3 R15.1 R16.1 R17.1 R17.2 U5.2 U5.5 U5.6 U5.8 U6.5 | length 1322.8
  Bottom Layer w10: J8.3 1135,4410.86 1140.86,4405 1251.26,4405 U5.5@1266.77,4389.49 ; R15.1 1349.14,4635 1355,4629.14 1355,4585.24 1304.61,4534.84 1304.61,4533.86 R16.1@1300.75,4530 ; U5.6 U5.5 1271.61,4198.39 1272.5,4197.5 1254.14,4179.14 1254.14,4160.46 1255,4159.61 R17.2 R17.1 1304.02,4105.24 U6.5 1340.59,4137.01 1348.39,4144.8 U5.8 ; R16.1 R16.1@1300.75,4530 ; C15.1 1460.32,4458.94 1386.02,4384.65 U5.8 ; R16.1@1300.75,4530 1322.8,4507.95 U5.2 1322.8,4438.74 1348.39,4413.15 U5.8
NetDS1_2: DS1.2 R12.2 | length 159.2
  Bottom Layer w10: DS1.2 1593.54,4775.37 1603.17,4785 1695,4785 1703.27,4776.73 R12.2
NetDS2_1: DS2.1 R14.1 | length 160
  Bottom Layer w10: R14.1 2717.72,4475 2763.54,4520.83 DS2.1
NetF1_1: F1.1 P1.2 P2.2 | length 1301.1
  Bottom Layer w10: P1.2 1361.42,2638.58 1713.58,2638.58 P2.2 1805.51,2639.49 2294.49,2639.49 2320,2665 2320.63,2665 2473.19,2817.56 F1.1
NetP10_1: P10.1 Q1.3 | length 1060.6
  Top Layer w10: P10.1 1965,2680 2220,2935 Q1.3
NetQ1_2: Q1.2 R3.2 S1.3 | length 1357.4
  Bottom Layer w10: S1.3 1172.95,3687.05 1256.06,3603.94 R3.2@1289.41,3603.94 ; R3.2 R3.2@1289.41,3603.94 ; Q1.2 2249.69,3520 1500,3520 1385,3635 1320.47,3635 R3.2@1289.41,3603.94
NetR5_2: R5.2 R6.2 | length 81.4
  Bottom Layer w10: R6.2 R5.2
NetR12_1: R12.1 U4.1 | length 328.2
  Bottom Layer w10: R12.1 1736.73,4665.99 1724.02,4653.28 1724.02,4477.36 1748.98,4452.4 U4.1
NetR13_2: R13.2 U4.5 | length 196
  Bottom Layer w10: R13.2 1597.72,4615 1603.54,4609.17 1603.54,4608.19 1676.05,4535.68 U4.5
P0: P9.4 R4.2 R5.1 | length 426.5
  Bottom Layer w10: P9.4 2280.31,3995 2310.31,3965 R4.2 2312,3965 2312,3923 2380,3855 2494.01,3855 2519.76,3829.25 2519.76,3823.24 2528,3815 R5.1
RESET: C9.2 P17.1 R10.1 S3.3 S3.4 U3.45 | length 2335.6
  Top Layer w10: U3.45 3064.21,4929.21 P17.1 3190,5055 3385,5055 3420.98,5019.02 3420.98,4290.98 3390,4260 v1(3355,4260)
  Layer 1 - GND w10: S3.4 S3.4@3060.63,3865
  Bottom Layer w10: C9.2 3070,4935 P17.1 3140,5002.5 3191.52,4950.98 3329.02,4950.98 3355,4925 R10.1 ; S3.4 S3.3 3105.63,4180 3217.09,4180 3297.09,4260 v1(3355,4260)
RST: P9.1 R7.2 S2.1 S2.2 | length 1850
  Bottom Layer w10: P9.1 2140,4230 2140,3765.17 2184.65,3720.51 2771.04,3720.51 2777.06,3714.49 2929.88,3714.49 S2.1 ; R7.2 2963.7,3585.24 S2.1 ; S2.2 S2.1
RX: P6.3 P13.7 U3.34 | length 1034.7
  Top Layer w10: U3.34 3093.9,4561.1 3117.52,4537.48 3117.52,4302.48 P13.7
  Bottom Layer w10: P6.3 3005,4136.88 3098.12,4230 P13.7
RX1: P9.2 P16.2 U3.22 | length 867.2
  Top Layer w10: P16.2 2725.75,4295.75 2725.75,4418.62 U3.22
  Bottom Layer w10: P9.2 2245,4195 2280,4160 2495,4160 2555,4100 2695.89,4100 2730.98,4135.1 2730.98,4289.02 P16.2
RXD0: P13.1 U3.40 | length 182.7
  Top Layer w10: U3.40 3043.43,4761.89 3111.54,4830 P13.1
SCK: D1.5 P13.9 U3.32 | length 1725.5
  Top Layer w10: U3.32 3070.83,4494.17 3085.55,4479.45 3085.55,4176.1 3140,4121.65 3140,4080 P13.9
  Bottom Layer w10: D1.5 3015,3090 3261.5,3336.5 3261.5,3958.5 P13.9
SCL: B5.7 J8.1 P4.3 P5.3 P12.4 R15.2 U3.8 U5.4 | length 4475.5
  Top Layer w10: v1(1365,4910) 1490.98,5035.98 2241.19,5035.98 2264.02,5013.16 2264.02,4770.98 P12.4 2340.04,4694.96 U3.8 2499.96,4694.96 2600,4795 v1(2600,4840)
  Bottom Layer w10: U5.4 1271.61,4468.31 1220.16,4519.76 1156.09,4519.76 1140,4535.86 1140,4549.06 J8.1 1135,4595 1175,4635 R15.2 1265.24,4673.01 1219.14,4719.1 1219.14,4869.14 1260,4910 v1(1365,4910) ; P12.4 2374.84,4749.84 B5.7 ; v1(2600,4840) 2600,4885 2655,4940 2813.49,4940 2865.39,4888.11 3255,4888.11 3280,4863.11 3280,4660 P4.3 3375,4610 3420.98,4564.02 3420.98,4030.98 3385,3995 P5.3
SDA: B5.8 J8.2 P4.4 P5.4 P12.3 R16.2 U3.7 U5.3 | length 4344.3
  Top Layer w10: v1(1270,4585) 1270,4910 1415,5055 2255,5055 2280,5030 2280,4855 P12.3 2330,4770 2371.57,4728.43 U3.7 ; P5.4 3289.49,4135.51 3289.49,4669.49 P4.4
  Bottom Layer w10: J8.2 1135,4470.86 1140.86,4465 1206.12,4465 1241.12,4430 1290,4430 1297.2,4437.2 U5.3 1295.31,4467.24 1295.31,4481.06 1270.24,4506.14 R16.2 1270.12,4530.12 1270.12,4584.88 v1(1270,4585) ; B5.8 2505.75,4805 P12.3 2485,4960 2816.1,4960 2872.01,4904.09 3270.91,4904.09 3330,4845 P4.4
TX: P6.4 P13.6 U3.35 | length 1094.7
  Top Layer w10: U3.35 3110.43,4594.57 3133.5,4571.5 3133.5,4386.5 P13.6
  Bottom Layer w10: P6.4 2905,3757.97 2935,3787.97 2935,4125 3140,4330 P13.6
TX1: P9.3 P16.1 U3.21 | length 799.7
  Top Layer w10: P16.1 2693.03,4363.03 U3.21
  Bottom Layer w10: P9.3 2155.98,4144.02 2155.98,4205.98 2204.49,4254.49 2429.59,4254.49 2441.6,4266.5 2488.4,4266.5 2500.41,4254.49 2584.49,4254.49 P16.1
TXD0: P13.2 U3.39 | length 155.1
  Top Layer w10: U3.39 3036.34,4729.21 3189.21,4729.21 P13.2
VBAT: B5.2 B5.3 C14.1 C16.1 J6.1 P11.1 Q2.3 U4.3 | length 2735.1
  Top Layer w10: v1(1915,4665) 2110,4665 P11.1
  Layer 2 - Power w10: v1(1435,4860) 1630,4665 v1(1915,4665) ; P11.1 2302.71,4575 2327.71,4550 v1(2576.81,4550)
  Bottom Layer w10: J6.1 1278.74,4848.74 1290,4860 v1(1435,4860) ; Q2.3 1662.68,4222.68 1763.95,4323.95 U4.3 1812.93,4377.6 1869.02,4433.69 1869.02,4619.02 v1(1915,4665) 1969.68,4665 C14.1 ; v1@2577.01,4550.2 v1(2576.81,4550) 2700,4550 2729.25,4579.25 2729.25,4650.75 2713.43,4666.57 C16.1 2713.43,4726.57 2690.16,4749.84 B5.2 B5.3
VBUS: D2.A DS1.1 J7.1 P11.3 Q2.1 R8.2 U4.4 | length 2836.3
  Top Layer w10: v1(1915,4950) 2011.63,4853.37 2121.63,4853.37 P11.3
  Bottom Layer w10: D2.A 1192.68,3572.32 1065,3700 1065,3960 1130,4025 1545,4025 1580,4060 Q2.1 1590.83,4145 1620,4174.17 1620,4270 1675,4325 1675,4376.54 U4.4 1676.05,4405.81 1540,4541.87 1540,4575 1536.46,4578.54 DS1.1 1537.36,4760.91 1537.36,4819.09 R8.2 1538.27,4843.27 1560,4865 1628.7,4865 1660,4896.3 J7.1 1660,4956.52 1665.88,4962.4 1902.6,4962.4 v1(1915,4950)
VDD3.3V: C6.1 C7.1 C8.1 C10.1 C11.1 C12.1 P11.4 R10.2 U2.5 U3.3 | length 3233.7
  Top Layer w10: U3.3 2492.24,4862.28 2549.96,4920 v1(2580,4920)
  Layer 2 - Power w10: v1(1905,4515) 1905,4540 2200,4835 P11.4 2229.49,4845.51 2475.51,4845.51 2550,4920 v1(2580,4920) 2582.5,4917.5 3217.5,4917.5 3380,4755 v1(3385,4755)
  Bottom Layer w10: C11.1 1985.75,4135 2019.68,4168.94 C10.1 C8.1 C7.1 C6.1 2019.68,4534.14 2013.83,4540 1930,4540 v1(1905,4515) ; P11.4 2123.82,4798.82 2085.04,4798.82 U2.5 2084.21,4773.39 2130.98,4726.62 2130.98,4539.02 2140.32,4529.68 2215.32,4529.68 2237.56,4507.44 C12.1 ; R10.2 3355,4872.28 3385,4842.28 v1(3385,4755)
VHI: C5.1 D2.C Q2.2 R9.1 U2.1 U6.1 | length 2831.5
  Top Layer w10: v1(1795,4840) 1760,4805 v1(1760,4590) 1760,4480 v1(1580,4300) 1469.02,4189.02 1469.02,3550.98 1575,3445 D2.C
  Bottom Layer w10: U6.1 1434.21,4189.21 1465.59,4220.59 Q2.2 1590.83,4220.59 1580,4231.42 v1(1580,4300) ; v1(1760,4590) 1870.98,4700.98 1937.25,4700.98 1938.23,4700 C5.1 ; v1(1795,4840) 1800,4845 1858.27,4845 R9.1 1864.25,4850 1870.08,4844.17 1870.08,4838.48 1910.57,4797.99 U2.1 1985.79,4790.67 U2.1@1985.32,4790.2
pads on no net: B4.1 B5.5 J7.4 S1.1 U2.4 U6.4
copper on no net: | length 4971
  Layer 2 - Power w10: 1002.5,5165 1002.5,5185 ; 1062.5,5155 1002.5,5175 ; 1062.5,5195 1002.5,5175 ; 2095.01,5175 1002.5,5175 ; 2350,5175 3442.5,5175 ; 3382.5,5155 3442.5,5175 ; 3382.5,5195 3442.5,5175 ; 3442.5,5165 3442.5,5185 ; 3500,2670 3520,2610 ; 3500,5005 3520,5065 ; 3510,2610 3530,2610 ; 3510,5065 3530,5065 ; 3520,3710 3520,2610 ; 3520,3964.99 3520,5065 ; 3540,2670 3520,2610 ; 3540,5005 3520,5065

## Polygon pours and split planes (outlines as drawn)
GND on Top Layer "GND_L01_P022" (solid, pour order 22): 1000,2615 3440,2615 3440,5070 1000,5070
GND on Bottom Layer "GND_L04_P023" (solid, pour order 23): 1000,2615 3440,2615 3440,5070 1000,5070
GND on Layer 1 - GND "GND_L02_P024" (solid, pour order 24): 1000,2615 3440,2615 3440,5070 1000,5070
VDD3.3V on Layer 2 - Power "VDD3.3V_L03_P025" (solid, pour order 25): 1000,2615 3440,2615 3440,5070 1000,5070

## Other copper
Layer 2 - Power:
  text "2440 (mil)" at 2105.01,5149.82 h60
  text "2455 (mil)" at 3545.18,3720 h60 r90

## Silkscreen, mask and mechanical layers (free items; w line width, h text height)
Bottom Overlay:
  text "DIY Air Quality Monitor 1.2" at 2165,2880 h60
  text "2023/11/16" at 2170,2815 h60
Mechanical 1:
  the board outline again, w10